# Altium PCB STM32CoreBoard_丝印.PcbDoc
Units mil, origin at the board's own origin, x right, y up, seen from the top; angles counter-clockwise.
Board outline 2320 x 4290 mil, 2 copper layers (Top Layer, Bottom Layer); 64 components, 64 nets, 276 pads, 80 vias.
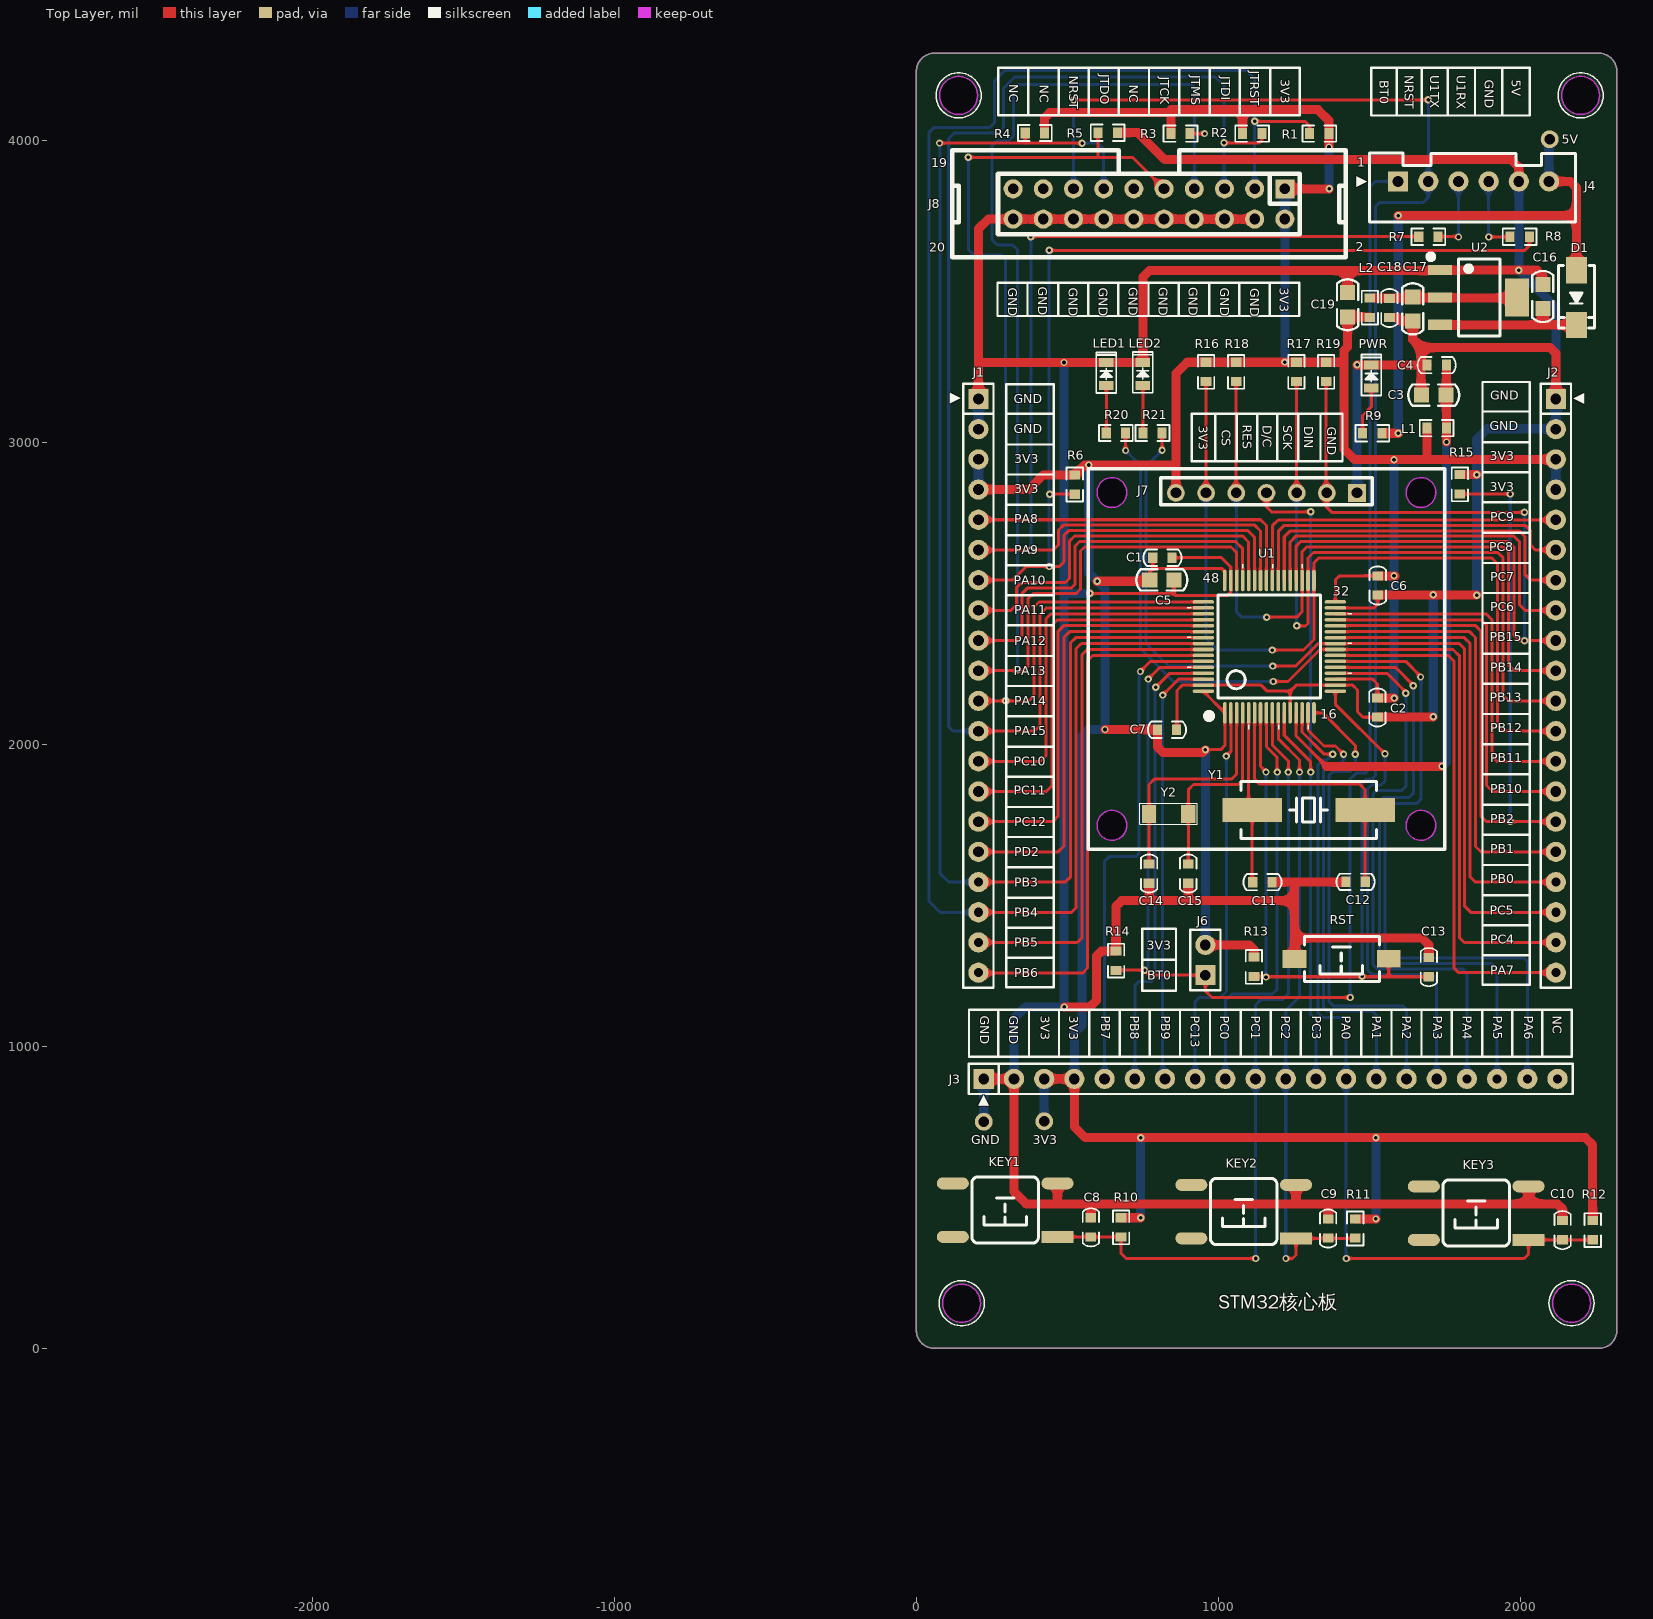
[diagram p0: Top Layer view]
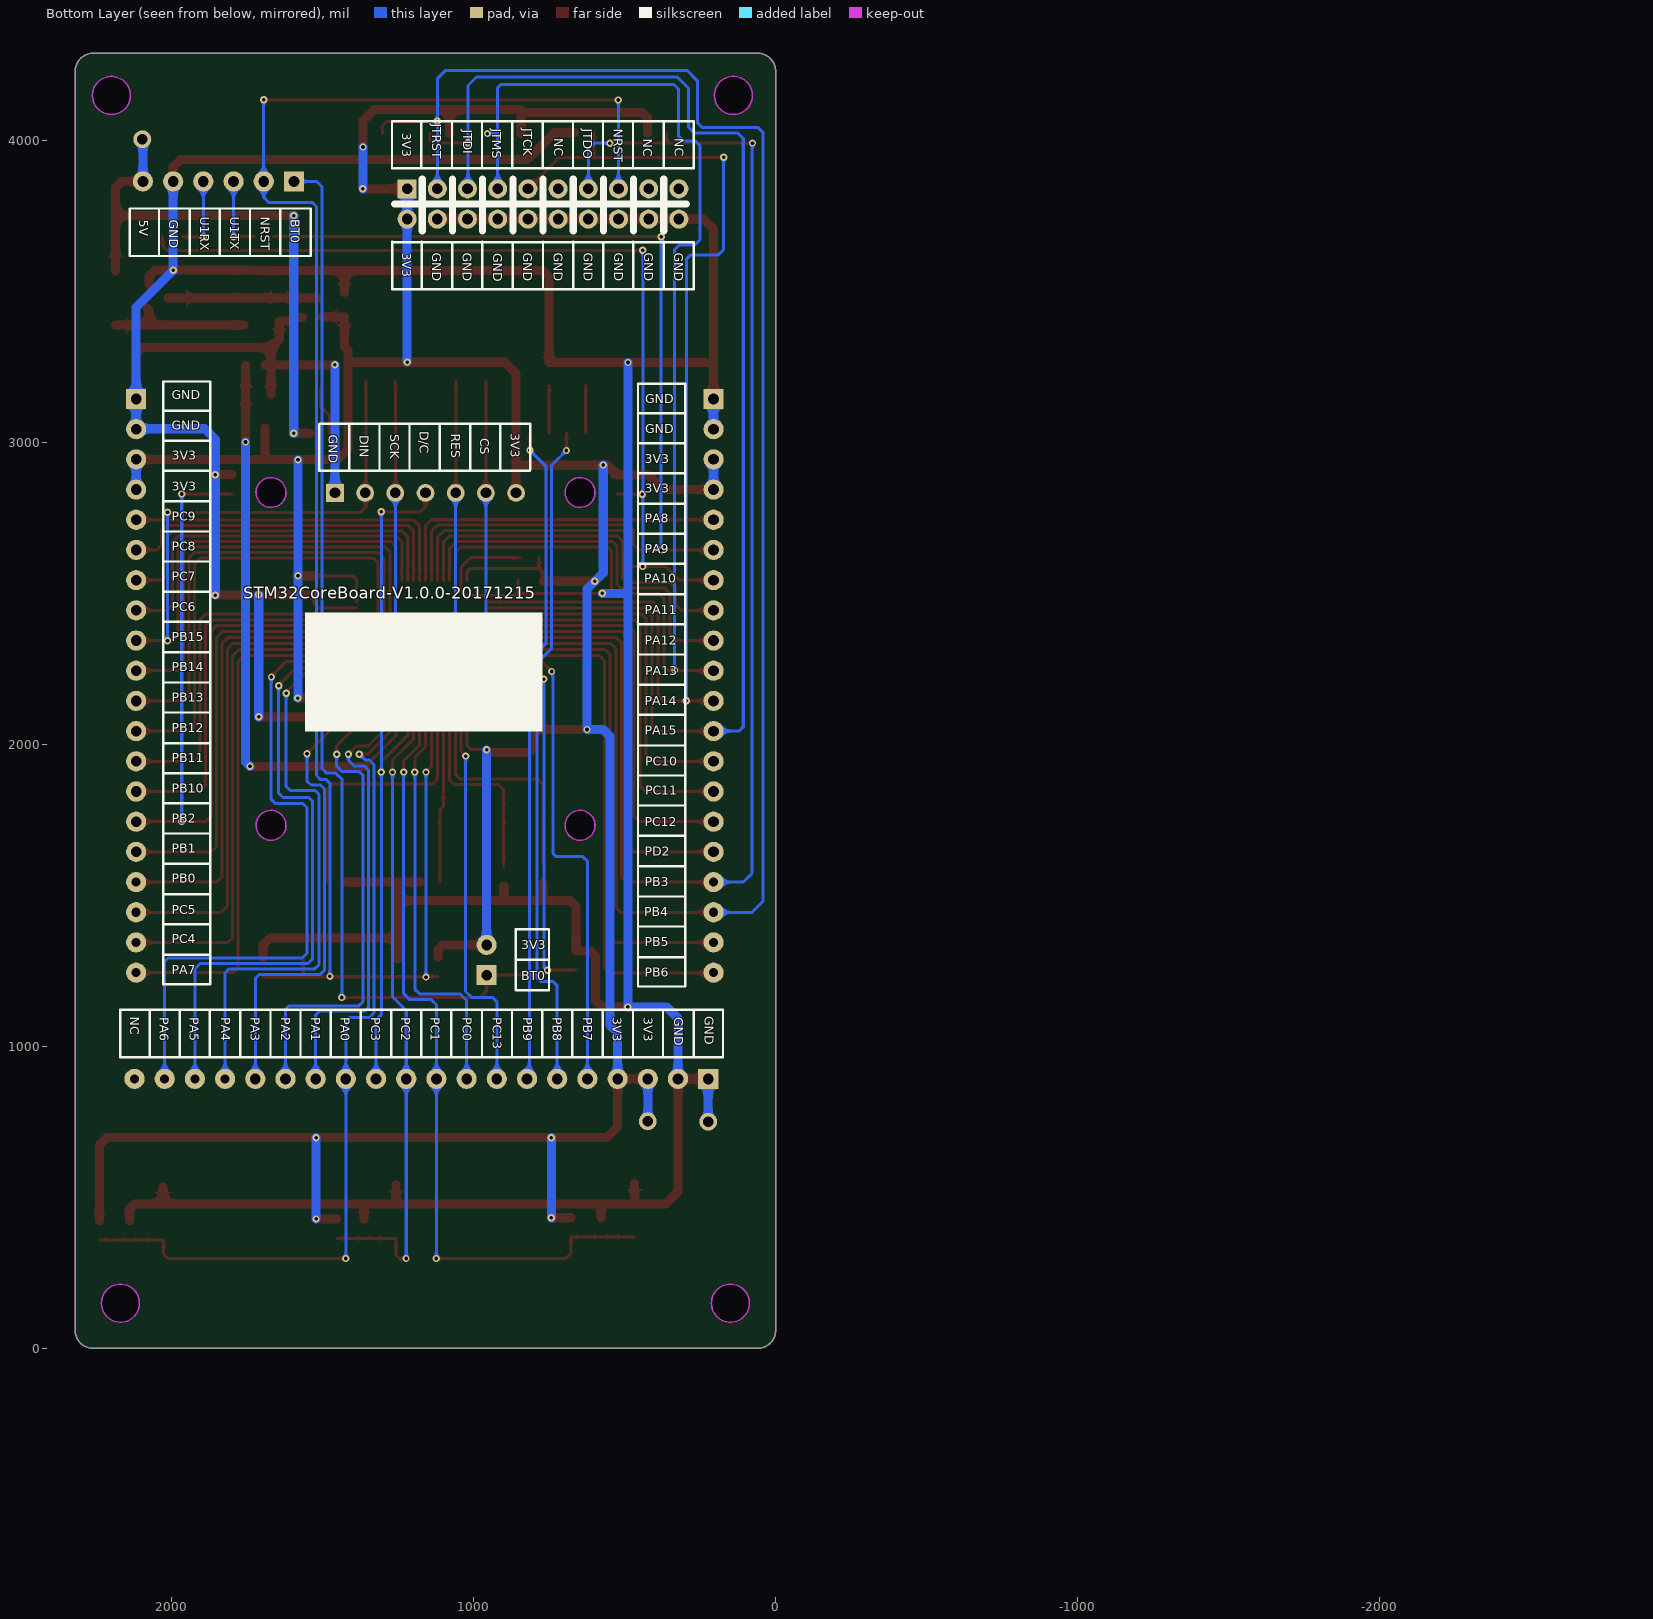
[diagram p1: Bottom Layer view, seen from below]

## Layer stack, top to bottom
Top Solder: solder mask 0.4, Solder Resist, Dk 3.5
Top Layer: signal copper 1.4
Dielectric1: dielectric 12.6, FR-4, Dk 4.8
Bottom Layer: signal copper 1.4
Bottom Solder: solder mask 0.4, Solder Resist, Dk 3.5

## Board outline
0,60 ccw(c59.87,60) 59.87,0.13 59.87,0 2260,0 ccw(c2260,59.87) 2319.87,59.87 2319.87,4230 2320,4230 ccw(c2260.13,4230) 2260.13,4289.87 2260,4290 60,4290 ccw(c60,4230.13) 0.13,4230.13 0,4230.13
cut-out: 87.01,150 ccw(c150,150) 150,87.01 ccw(c150,150) 212.99,150 ccw(c150,150) 150,212.99 ccw(c150,150)
cut-out: 2107.01,150 ccw(c2170,150) 2170,87.01 ccw(c2170,150) 2232.99,150 ccw(c2170,150) 2170,212.99 ccw(c2170,150)
cut-out: 2137.01,4150 ccw(c2200,4150) 2200,4087.01 ccw(c2200,4150) 2262.99,4150 ccw(c2200,4150) 2200,4212.99 ccw(c2200,4150)
cut-out: 140,4087.01 cw(c140,4150) 77.01,4150 cw(c140,4150) 140,4212.99 cw(c140,4150) 202.99,4150 cw(c140,4150)

## Design rules (kind name [scope] priority, off if disabled: settings)
Clearance Clearance_Inpoly [(inpoly)] p1: gap=20
Clearance Clearance_U1 [InComponent('U1')] p2: gap=6
Clearance Clearance_General [All] p3: gap=8
MinimumSolderMaskSliver [All] p1 off: minsoldermaskwidth=10
PolygonConnect [All] p1: connectstyle=Relief reliefconductorwidth=10 reliefentries=4 polygonreliefangle="90 Angle" airgapwidth=10
RoutingVias [All] p1: holewidth=12 width=24 viastyle="Through Hole" minholewidth=12 minwidth=24 maxholewidth=15 maxwidth=30
SilkToSilkClearance [All] p1 off: silktosilkclearance=10
SilkToSolderMaskClearance [IsPad] p1 off: minsilkscreentomaskgap=10 clearancetoexposedcopper=TRUE
SolderMaskExpansion [All] p1: expansion=4
Width [All] p1: maxlimit=30 minlimit=10 preferedwidth=10
27 further rules are at their usual default settings.

## Components (designator, comment, footprint, x,y, rotation, side; value= is the part's Value field where it differs from the comment)
3V3 "TESTPOINT_0.9" TESTPOINT_0.9 423.43,752.17 r90 top
5V "TESTPOINT_0.9" TESTPOINT_0.9 2097.44,4004.92 r90 top
C1 "100nF (104) ±10% 50V SMD0603" "C 0603" 815,2619 r0 top
C2 "100nF (104) ±10% 50V SMD0603" "C 0603" 1527,2123 r270 top
C3 "22uF (226) ±20% 25V SMD0805" "C 0805" 1713.58,3157.48 r180 top
C4 "100nF (104) ±10% 50V SMD0603" "C 0603" 1723.43,3256.89 r180 top
C5 "22uF (226) ±20% 25V SMD0805" "C 0805" 812.99,2545.28 r0 top
C6 "100nF (104) ±10% 50V SMD0603" "C 0603" 1528,2527 r270 top
C7 "100nF (104) ±10% 50V SMD0603" "C 0603" 830,2049 r0 top
C8 "100nF (104) ±10% 50V SMD0603" "C 0603" 578.03,400.98 r90 top
C9 "100nF (104) ±10% 50V SMD0603" "C 0603" 1363.74,397.16 r90 top
C10 "100nF (104) ±10% 50V SMD0603" "C 0603" 2140.08,391.97 r90 top
C11 "22pF (220) ±5% 50V SMD0603" "C 0603" 1146.21,1544.57 r0 top
C12 "22pF (220) ±5% 50V SMD0603" "C 0603" 1454.72,1545.28 r180 top
C13 "100nF (104) ±10% 50V SMD0603" "C 0603" 1697.26,1263.07 r90 top
C14 "10pF (100) ±5% 50V SMD0603" "C 0603" 770.67,1572.83 r270 top
C15 "22pF (220) ±5% 50V SMD0603" "C 0603" 900.59,1572.83 r270 top
C16 "22uF (226) ±20% 25V SMD0805" "C 0805" 2075,3484 r90 top
C17 "22uF (226) ±20% 25V SMD0805" "C 0805" 1644,3443 r270 top
C18 "100nF (104) ±10% 50V SMD0603" "C 0603" 1567,3446 r270 top
C19 "22uF (226) ±20% 25V SMD0805" "C 0805" 1428.15,3456.69 r90 top
D1 "SS210" SMA 2186.02,3480.32 r270 top
GND "TESTPOINT_0.9" TESTPOINT_0.9 223.43,750.99 r90 top
J1 "排针 单排 2.54mm 20P" HDR-1X20 205.71,3144.68 r270 top
J2 "排针 单排 2.54mm 20P" HDR-1X20 2118.11,3144.68 r270 top
J3 "排针 单排 2.54mm 20P" HDR-1X20 223.43,892.72 r0 top
J4 "XH-6P母座" XH2.54-6P 1595.47,3865.16 r0 top locked
J6 "排针 单排 2.54mm 2P" HDR-1x2 957.26,1236.46 r90 top
J7 "OLED母座 单排 2.54mm 7P" "OLED SIP2.54-7P" 1459.65,2833.66 r180 top locked
J8 "简牛 2.54mm 2*10P 直" IDC2.54-20P 1220.47,3840.55 r180 top locked
KEY1 "贴片轻触开关 6*6*6mm" "TSW SMD-6*6*6" 294.1,458.62 r180 top
KEY2 "贴片轻触开关 6*6*6mm" "TSW SMD-6*6*6" 1084.1,453.62 r180 top
KEY3 "贴片轻触开关 6*6*6mm" "TSW SMD-6*6*6" 1854.1,448.62 r180 top
L1 "10uH ±10% SMD0603" "L 0603" 1723.43,3048.23 r180 top
L2 "10uH ±10% SMD0603" "L 0603" 1502,3447 r270 top
LED1 "蓝色发光二极管  SMD0805" "LED 0805B" 629,3226 r90 top (schematic designator LD1)
LED2 "翠绿发光二极管  SMD0805" "LED 0805G" 750,3227 r90 top (schematic designator LD2)
PWR "红色发光二极管  SMD0805" "LED 0805R" 1506.89,3218.5 r90 top
R1 "10KΩ (1002) ±1% SMD0603" "R 0603" 1334.65,4023.62 r180 top
R2 "10KΩ (1002) ±1% SMD0603" "R 0603" 1112.2,4023.62 r0 top
R3 "10KΩ (1002) ±1% SMD0603" "R 0603" 875,4023.62 r0 top
R4 "10KΩ (1002) ±1% SMD0603" "R 0603" 392.72,4025.59 r180 top
R5 "10KΩ (1002) ±1% SMD0603" "R 0603" 633.86,4026.57 r180 top
R6 "10KΩ (1002) ±1% SMD0603" "R 0603" 524.61,2861.22 r270 top
R7 "100Ω (1000) ±1% SMD0603" "R 0603" 1695.87,3682.09 r0 top
R8 "100Ω (1000) ±1% SMD0603" "R 0603" 1998.03,3682.09 r180 top
R9 "1KΩ (1001) ±1% SMD0603" "R 0603" 1510,3031 r180 top
R10 "10KΩ (1002) ±1% SMD0603" "R 0603" 678.03,400.98 r90 top
R11 "10KΩ (1002) ±1% SMD0603" "R 0603" 1453.74,397.16 r90 top
R12 "10KΩ (1002) ±1% SMD0603" "R 0603" 2240.08,391.97 r90 top
R13 "10KΩ (1002) ±1% SMD0603" "R 0603" 1118.26,1264.07 r90 top
R14 "10KΩ (1002) ±1% SMD0603" "R 0603" 661.26,1284.46 r90 top
R15 "10KΩ (1002) ±1% SMD0603" "R 0603" 1800.2,2862.2 r90 top
R16 "10KΩ (1002) ±1% SMD0603" "R 0603" 959.65,3234.25 r270 top
R17 "10KΩ (1002) ±1% SMD0603" "R 0603" 1258.86,3234.25 r270 top
R18 "10KΩ (1002) ±1% SMD0603" "R 0603" 1059.06,3234.25 r270 top
R19 "10KΩ (1002) ±1% SMD0603" "R 0603" 1357.28,3234.25 r270 top
R20 "330Ω (3300) ±1% SMD0603" "R 0603" 661,3032 r180 top
R21 "330Ω (3300) ±1% SMD0603" "R 0603" 782,3032 r180 top
RST "贴片轻触开关 白头 3*6*2.5" "TSW SMD-3*6*2.5" 1407.26,1290.07 r180 top
U1 "STM32F103RCT6" "LQFP64 10x10_N" 1169.29,2325.79 r0 top locked
U2 "AMS1117-3.3" SOT223_N 1864,3481 r270 top
Y1 "贴片晶振 49SMD 8MHz" "XTAL-49S SMD" 1299.21,1783.46 r0 top
Y2 "贴片晶振 SMD3215 32.768KHz" XTAL-3215 835.63,1770.67 r0 top

## Footprints (in the part's own frame and the unit in brackets; to place one, negate y for a bottom-side part, rotate by r counter-clockwise, add the part's x,y. Pads: shape width x height; smd on the part's side, far side on the other; paste and mask are expansions set on the pad)
"C 0603" [mil]
  rect 30x35.43 smd: 1(-32,0) 2(32,0)
  silkscreen extent -63,-27 63,27, body extent -31,-16 32,16, height 12
"C 0805" [mil]
  rrect0% 50x50 smd: 1(-40,0) 2(40,0)
  silkscreen extent -84,-35 84,35, body extent -39,-25 39,25, height 31
HDR-1x2 [mm]
  rect 1.7x1.7 hole 0.9: 1(0,0)
  round 1.7 hole 0.9: 2(2.54,0)
  silkscreen extent -1.27,-1.27 3.81,1.27, body extent -1.27,-1.27 3.81,1.27, height 8.5
HDR-1X20 [mm]
  rect 1.7x1.7 hole 0.9: 1(0,0)
  round 1.7 hole 0.9: 2(2.54,0) 3(5.08,0) 4(7.62,0) 5(10.16,0) 6(12.7,0) 7(15.24,0) 8(17.78,0) 9(20.32,0) 10(22.86,0) 11(25.4,0) 12(27.94,0) 13(30.48,0) 14(33.02,0) 15(35.56,0) 16(38.1,0)
  round 1.7 hole 0.762: 17(40.64,0) 18(43.18,0) 19(45.72,0) 20(48.26,0)
  silkscreen extent -1.27,-1.27 49.53,1.27, body extent -1.27,-1.27 49.53,1.27, height 8.5
IDC2.54-20P [mm]
  rect 1.6x1.6 hole 0.9: 1(0,0)
  round 1.6 hole 0.9: 2(0,2.54) 3(2.54,0) 4(2.54,2.54) 5(5.08,0) 6(5.08,2.54) 7(7.62,0) 8(7.62,2.54) 9(10.16,0) 10(10.16,2.54) 11(12.7,0) 12(12.7,2.54) 13(15.24,0) 14(15.24,2.54) 15(17.78,0) 16(17.78,2.54) 17(20.32,0) 18(20.32,2.54) 19(22.86,0) 20(22.86,2.54)
  silkscreen extent -5.11,-3.23 27.97,5.77, body extent -5.08,-3.08 27.94,5.77, height 9.17
"L 0603" [mil]
  rect 30x35.43 smd: 1(-32,0) 2(32,0)
  silkscreen extent -56,-27 56,27, body extent -31,-18 31,18, height 31
"LED 0805B" [mil]
  rect 30x47.24 smd: 1(-37,0) 2(39,0)
  silkscreen extent -62,-33 73,33, body extent -38,-25 40,24, height 32
"LED 0805G" [mil]
  rect 30x47.24 smd: 1(-37,0) 2(39,0)
  silkscreen extent -62,-33 73,33, body extent -37,-24 41,25, height 32
"LED 0805R" [mil]
  rect 30x47.24 smd: 1(-37,0) 2(39,0)
  silkscreen extent -62,-33 73,33, body extent -38,-24 40,25, height 32
"LQFP64 10x10_N" [mm]
  oval 0.3x1.8 smd: 1(-3.75,-5.601) 2(-3.25,-5.601) 3(-2.75,-5.601) 4(-2.25,-5.601) 5(-1.75,-5.601) 6(-1.25,-5.601) 7(-0.75,-5.601) 8(-0.25,-5.601) 9(0.25,-5.601) 10(0.75,-5.601) 11(1.25,-5.601) 12(1.75,-5.601) 13(2.25,-5.601) 14(2.75,-5.601) 15(3.25,-5.601) 16(3.75,-5.601) 33(3.75,5.525) 34(3.25,5.525) 35(2.75,5.525) 36(2.25,5.525) 37(1.75,5.525) 38(1.25,5.525) 39(0.75,5.525) 40(0.25,5.525) 41(-0.25,5.525) 42(-0.75,5.525) 43(-1.25,5.525) 44(-1.75,5.525) 45(-2.25,5.525) 46(-2.75,5.525) 47(-3.25,5.525) 48(-3.75,5.525)
  oval 1.8x0.3 smd: 17(5.55,-3.775) 18(5.55,-3.275) 19(5.55,-2.775) 20(5.55,-2.275) 21(5.55,-1.775) 22(5.55,-1.275) 23(5.55,-0.775) 24(5.55,-0.275) 25(5.55,0.225) 26(5.55,0.725) 27(5.55,1.225) 28(5.55,1.725) 29(5.55,2.225) 30(5.55,2.725) 31(5.55,3.225) 32(5.55,3.725) 49(-5.55,3.725) 50(-5.55,3.225) 51(-5.55,2.725) 52(-5.55,2.225) 53(-5.55,1.725) 54(-5.55,1.225) 55(-5.55,0.725) 56(-5.55,0.225) 57(-5.55,-0.275) 58(-5.55,-0.775) 59(-5.55,-1.275) 60(-5.55,-1.775) 61(-5.55,-2.275) 62(-5.55,-2.775) 63(-5.55,-3.275) 64(-5.55,-3.775)
  silkscreen extent -6.93,-6.98 6.93,6.93, body extent -6,-6.03 6,5.98, height 1.45
"OLED SIP2.54-7P" [mm]
  rect 1.5x1.5 hole 0.9: 1(0,0)
  round 1.5 hole 0.9: 2(2.54,0) 3(5.08,0) 4(7.62,0) 5(10.16,0) 6(12.7,0) 7(15.24,0)
  Keep-Out Layer circle w0.127: c20.62,27.968 r1.26
  Keep-Out Layer circle w0.127: c-5.38,27.968 r1.26
  Keep-Out Layer circle w0.127: c-5.38,-0.032 r1.26
  Keep-Out Layer circle w0.127: c20.62,-0.032 r1.26
  Keep-Out Layer board cut-out: -5.365,1.235 -5.691,1.192 -5.995,1.066 -6.256,0.866 -6.457,0.605 -6.583,0.301 -6.626,-0.025 -6.615,-0.025 -6.651,-0.031 -6.608,-0.357 -6.482,-0.661 -6.281,-0.922 -6.02,-1.122 -5.716,-1.248 -5.39,-1.291 -5.39,-1.281 -5.38,-1.291 -5.053,-1.248 -4.749,-1.122 -4.488,-0.922 -4.288,-0.661 -4.162,-0.357 -4.119,-0.031 -4.13,-0.031 -4.105,-0.025 -4.104,-0.025 -4.147,0.301 -4.273,0.605 -4.473,0.866 -4.734,1.066 -5.038,1.192
  Keep-Out Layer board cut-out: -5.365,29.226 -5.691,29.183 -5.995,29.057 -6.256,28.857 -6.457,28.596 -6.583,28.292 -6.626,27.965 -6.615,27.965 -6.651,27.96 -6.608,27.634 -6.482,27.33 -6.281,27.069 -6.02,26.868 -5.716,26.742 -5.39,26.699 -5.39,26.71 -5.38,26.699 -5.053,26.742 -4.749,26.868 -4.488,27.069 -4.288,27.33 -4.162,27.634 -4.119,27.96 -4.13,27.96 -4.105,27.965 -4.104,27.965 -4.147,28.292 -4.273,28.596 -4.473,28.857 -4.734,29.057 -5.038,29.183
  Keep-Out Layer board cut-out: 20.645,29.226 20.318,29.183 20.014,29.057 19.753,28.857 19.553,28.596 19.427,28.292 19.384,27.965 19.395,27.965 19.359,27.96 19.402,27.634 19.528,27.33 19.728,27.069 19.989,26.868 20.293,26.742 20.62,26.699 20.62,26.71 20.63,26.699 20.956,26.742 21.26,26.868 21.521,27.069 21.722,27.33 21.848,27.634 21.891,27.96 21.88,27.96 21.905,27.965 21.906,27.965 21.863,28.292 21.737,28.596 21.536,28.857 21.275,29.057 20.971,29.183
  Keep-Out Layer board cut-out: 20.645,1.235 20.318,1.192 20.014,1.066 19.753,0.866 19.553,0.605 19.427,0.301 19.384,-0.025 19.395,-0.025 19.359,-0.031 19.402,-0.357 19.528,-0.661 19.728,-0.922 19.989,-1.122 20.293,-1.248 20.62,-1.291 20.62,-1.281 20.63,-1.291 20.956,-1.248 21.26,-1.122 21.521,-0.922 21.722,-0.661 21.848,-0.357 21.891,-0.031 21.88,-0.031 21.905,-0.025 21.906,-0.025 21.863,0.301 21.737,0.605 21.536,0.866 21.275,1.066 20.971,1.192
  silkscreen extent -7.38,-2.03 22.62,29.97, body extent -1.27,-1.4 16.51,1.14, height 8.5
"R 0603" [mil]
  rect 30x35.43 smd: 1(-32,0) 2(32,0)
  silkscreen extent -56,-27 56,27, body extent -31,-16 32,16, height 12
SMA [mm]
  rect 2.2x1.75 smd: 1(-2.3,0) 2(2.3,0)
  silkscreen extent -2.7,-1.52 2.54,1.52, body extent -2.53,-1.3 2.57,1.3, height 2.15
SOT223_N [mm]
  rect 0.85x2 smd: 1(-2.3,-3.302) 2(0,-3.302) 3(2.3,-3.302)
  rect 3.2x2 smd: 2(0,3.175)
  silkscreen extent -3.63,-4.26 3.25,1.75, body extent -3.25,-3.51 3.25,3.51, height 1.65
TESTPOINT_0.9 [mm] "测试点"
  round 1.5 hole 0.9: 1(0,0)
"TSW SMD-3*6*2.5" [mm]
  rect 2x1.5 smd: 1(-3.996,-0.02) 2(3.937,0)
  silkscreen extent -3.21,-1.9 3.09,1.9, body extent -4,-1.88 4,1.62, height 2.59
"TSW SMD-6*6*6" [mm]
  rect 2.7x1 smd: 1(-4.4,2.261)
  oval 2.7x1 smd: 2(-4.4,-2.239) 3(4.4,-2.239) 4(4.4,2.261)
  silkscreen extent -2.79,-2.79 2.79,2.79, body extent -4.5,-3 4.5,3, height 5.95
XH2.54-6P [mm]
  rect 1.7x1.7 hole 0.9: 1(0,0)
  round 1.7 hole 0.9: 2(2.54,0) 3(5.08,0) 4(7.62,0) 5(10.16,0) 6(12.7,0)
  silkscreen extent -2.39,-3.43 14.91,2.39, body extent -2.5,-3.3 15.2,2.4, height 7.03
"XTAL-49S SMD" [mm]
  rect 5x2 smd: 1(-4.75,0) 2(4.75,0)
  silkscreen extent -5.7,-2.4 5.7,2.4, body extent -6.7,-2.46 6.7,2.44, height 4
XTAL-3215 [mm]
  rect 1.2x1.5 smd: 1(-1.65,0) 2(1.65,0)
  silkscreen extent -2.41,-0.89 2.41,0.89, body extent -1.6,-0.75 1.6,0.75, height 0.81

## Part data
3V3 5V GND: "TESTPOINT_0.9，测试点0.9mm，不需焊接"
C1 C2 C4 C6 C7 C8 C9 C10 C13 C18: "贴片电容，100nF/50V，±10%，SMD0603，YAGEO（国巨），CC0603KRX7R9BB104"
C3 C5 C16 C17 C19: "贴片电容，22uF/25V，±20%，SMD0805，SAMSUNG(三星)，CL21A226MAQNNNE"
C11 C12 C15: "贴片电容，22pF/50V，±5%，SMD0603，SAMSUNG(三星)，CL10C220JB8NNNC"
C14: "贴片电容，10pF/50V，±5%，SMD0603，SAMSUNG(三星)，CL10C100JB8NNNC"
D1: "肖特基二极管，SS210，100V/2A，SMA(DO-214AC)，星海，SS210"
J1 J2 J3: "排针，单排，2.54mm，20P，国产"
J4: "XH-6A，脚距2.54mm，直针带锁，国产"
J6: "排针，单排，2.54mm，2P，国产"
J7: "OLED母座，单排，2.54mm，7P"
J8: "简牛，2.54mm，2*10P，直，国产"
KEY1 KEY2 KEY3: "贴片轻触开，6*6*6mm，SMD/6*6*6"
L1 L2: "贴片电感，10uH，±10%，SMD0603，Sunlord(顺络)，SDFL1608S100KTF"
LED1: "蓝色发光二极管，SMD0805，国星光电，FC-A2012BK-470H2"
LED2: "翠绿发光二极管 ，SMD0805，国产，0805G (翠绿)"
PWR: "红色发光二极管，SMD0805，国星光电 ，FC-2012HRK-620D"
R1 R2 R3 R4 R5 R6 R10 R11 R12 R13 R14 R15 R16 R17 R18 R19: "贴片电阻，10KΩ，±1%，SMD0603，UniOhm台湾厚声（授权代理），0603WAF1002T5E"
R7 R8: "贴片电阻，100Ω， ±1% ，SMD0603，UniOhm台湾厚声（授权代理），0603WAF1000T5E"
R9: "贴片电阻，1KΩ，±1%，SMD0603，UniOhm台湾厚声（授权代理），0603F1001T5E"
R20 R21: "贴片电阻，330Ω，±1%，SMD0603，UniOhm台湾厚声（授权代理），0603WAF3300T5E"
RST: "贴片轻触开关，  白头，  3*6*2.5，SMD/3*6*2.5"
U1: "微控制器，LQFP64，ST(意法半导体)，STM32F103RCT6"
U2: "低压差线性稳压(LDO)，AMS1117-3.3，1117-3.3，美国AMS，AMS1117-3.3"
Y1: "贴片晶振，49SMD， 8MHz，HC-49SMD，YXC"
Y2: "贴片晶振，SMD3215，32.768KHz，EPSON(爱普生)，Q13FC1350000400"

## Via types
v1: diameter 24, hole 12, Top Layer to Bottom Layer, tented both sides, 80 vias

## Nets (pads, with @x,y where several pads share a name; then routed paths per layer and width w, separated by ;. In a path a pad name is that pad's centre, name@x,y a point inside that pad or via, vN(x,y) a via of type N, cw(c..) or ccw(c..) an arc to the next point about the centre after c; other vN are vias at no path point)
3V3: 3V3.1 C1.1 C2.1 C5.1 C6.1 C7.1 C19.1 J1.3 J1.4 J2.3 J2.4 J3.3 J3.4 J6.2 J7.7 J8.1 J8.2 L1.2 L2.2 R1.1 R2.1 R3.1 R4.1 R6.1 R10.2 R11.2 R12.2 R13.2 R16.1 R17.1 R18.1 R19.1 U1.1 U1.19 U1.32 U1.48 U1.64 | length 13845.3
  Top Layer w10: C5.1 773,2573 783.28,2583.28 ; C1.1 783.28,2618.73 783.28,2583.28 ; U1.64 950.79,2176.15 U1.1 1021.65,1996.65 1008.29,1983.29 v1@957.81,1983.29 ; U1.48 1021.65,2573.35 1011.72,2583.28 783.28,2583.28 ; U1.19 1511.48,2216.52 1527,2201 C2.1 ; U1.32 1387.8,2544.8 1402,2559 C6.1
  Top Layer w30: J1.4 372.24,2844.68 420.78,2893.22 R6.1 556.58,2925.2 858,2925.2 ; J3.3 J3.4 523.43,734.57 560,698 v1(743,698) v1(1522,698) 2216,698 2240.08,673.92 R12.2 ; R4.1 424.72,4076.29 441.43,4093 843,4093 R3.1 ; v1(599,2541) C5.1@768.72,2541 ; v1(625,2050) C7.1@798,2050 ; R10.2 v1(742.98,432.98) ; C7.1 798,1993 817.71,1973.29 947.81,1973.29 v1(957.26,1982.74) ; 843,4103 1080.2,4103 ; J7.7 859.65,3228.65 897.25,3266.25 R16.1 R18.1 R17.1 R19.1 1415.25,3266.25 1416,3267 ; J6.2 1102.54,1336.46 1118.26,1320.74 R13.2 ; R2.1 1080.2,4103 ; J8.1@1218.5,3840.55 1219.76,3839.61 J8.1@1226.38,3834.65 ; J8.1 v1(1367.13,3840.55) ; v1(1366.65,3979.33) R1.1 1366.65,4066.37 1330.02,4103 1080.2,4103 ; R11.2 v1(1522,429.16) ; L2.2@1502,3416.82 1428.27,3416.82 1428.27,3317.27 1416,3305 1416,3267 ; C2.1 v1@1582,2155 ; C6.1 v1@1586,2559 ; 1691.43,2945.19 L1.2 ; J2.3 1451,2944.68 1416,2979.68 1416,3267
  Bottom Layer w30: J1.4 J1.3 ; 3V3.1 J3.3 ; J3.4 523.43,1045.43 549,1071 549,2028 571,2050 v1(625,2050) 625,2515 v1(599,2541) 571,2569 v1(571,2926) ; v1(742.98,432.98) v1(743,698) ; J6.2 v1(957.26,1982.74) ; v1(1220.47,3266.73) J8.2 J8.1 ; v1@1366.65,3841.03 v1(1366.65,3979.33) ; v1(1522,429.16) v1(1522,698) ; v1(1582,2943) v1(1582,2559) 1582,2155 v1(1583,2154) ; J2.4 J2.3
5V: 5V.1 D1.1 J4.6 R9.1 | length 1877.8
  Top Layer w30: R9.1 v1(1596,3031) ; v1(1596,3752) 2186,3752 ; J4.6 2165.84,3865.16 2186,3845 2186,3752 ; D1.1@2186,3568.9 2186,3752
  Bottom Layer w30: v1(1596,3031) v1(1596,3752) ; J4.6 5V.1@2095.47,4002.95
BOOT0: J4.1 J6.1 R14.1 U1.60 | length 4841.6
  Top Layer w10: R14.1@661.8,1253 v1(756,1253) 772.54,1236.46 J6.1 957.26,1184.54 979.4,1162.4 v1(1437.01,1162.4) ; v1(768,2217) 806.89,2255.89 U1.60
  Bottom Layer w10: v1(756,1253) 768,1265 v1(768,2217) ; v1(1437.01,1162.4) 1437.01,1885.96 1456.56,1905.51 1487.2,1905.51 1502.17,1920.48 1502.17,2868.57 1502,2868.75 1502,3847 1520.16,3865.16 J4.1
GND: C1.2 C2.2 C3.2 C4.2 C5.2 C6.2 C7.2 C8.2 C9.2 C10.2 C11.2 C12.2 C13.2 C14.2 C15.2 C16.2 C17.2 C18.2 C19.2 GND.1 J1.1 J1.2 J2.1 J2.2 J3.1 J3.2 J4.5 J7.1 J8.4 J8.6 J8.8 J8.10 J8.12 J8.14 J8.16 J8.18 J8.20 KEY1.2 KEY2.2 KEY3.2 LED1.2 LED2.2 PWR.2 R5.1 R14.2 R15.2 RST.2 U1.12 U1.18 U1.31 U1.47 U1.63 U2.1 | length 19026.3
  Top Layer w10: v1@574,2500 853,2500 ; C1.2 1010.58,2619 1041.34,2588.24 1041.34,2505.34 1029,2493 860,2493 853,2500 ; C5.2 853,2500 ; C7.2@863,2049 863,2179 880.83,2196.83 1142.17,2196.83 1162,2177 1238.19,2177 ; U1.12 1238.19,2177 ; U1.31 1514.74,2452.74 1528,2466 C6.2 ; C2.2 1479,2091 1461,2109 1461,2181 1445.17,2196.83 1258.02,2196.83 1238.19,2177
  Top Layer w30: J1.1 205.71,3707.71 238.55,3740.55 J8.20 J8.18 J8.16 J8.14 J8.12 J8.10 J8.8 J8.6 J8.4 ; 207,3265.38 v1(489,3265.38) LED2.2@750,3265.38 ; J3.1 J3.2 323.43,519.57 364,479 2029,479 ; 467.32,480.68 KEY1.2 ; v1(490.16,1131) 575,1131 596.21,1152.21 596.21,1299.21 613.46,1316.46 R14.2 661.26,1464.41 679.85,1483 769.68,1483 ; C8.2 578.03,478.03 ; R5.1 734,4026.57 823,3937.57 1970.43,3937.57 1995.47,3912.53 J4.5 ; LED2.2 750,3548 771.88,3569.88 1428.15,3569.88 ; C14.2 770.67,1483.99 769.68,1483 ; 900.59,1484.41 C15.2@900.59,1530.99 ; C11.2 C12.2@1422.02,1544.57 ; RST.2 1252.26,1543.31 ; 1252.26,1359 1675,1359 1697.26,1336.74 C13.2 ; 1252.26,1483 769.68,1483 ; 1257.32,479.32 KEY2.2 ; C9.2 1363.74,478.74 ; C19.2 1428.15,3569.88 ; v1(1459.65,3257.65) PWR.2@1506.03,3257.65 ; PWR.2 1668.76,3257.5 ; C2.2 v1@1711,2091 ; C6.2 v1(1856,2495) ; C18.2 1593,3414 1604,3403 C17.2 1644,3342.26 1671.26,3315 ; C3.2@1671.26,3159.79 1671.26,3255 ; C4.2 1673.15,3256.89 1671.26,3255 ; R15.2 1855.8,2894.2 v1(1856,2894) ; KEY3.2@2029,535.11 2029,479 ; C16.2 2075,3552 2055.45,3571.55 U2.1 1732.33,3569.88 1428.15,3569.88 ; J2.1 2118.11,3295.89 2099,3315 1671.26,3315 ; C10.2 2140.08,461.92 2123,479 2029,479 ; 1671.26,3255 1671.26,3315